# Altium PCB STM32F207VC.PcbDoc (part 3 of 16)
Units mm, origin at the board's own origin, x right, y up, seen from the top; angles counter-clockwise.
Board outline 99.19 x 99.95 mm, 2 copper layers (Top Layer, Bottom Layer); 127 components, 125 nets, 570 pads, 172 vias.
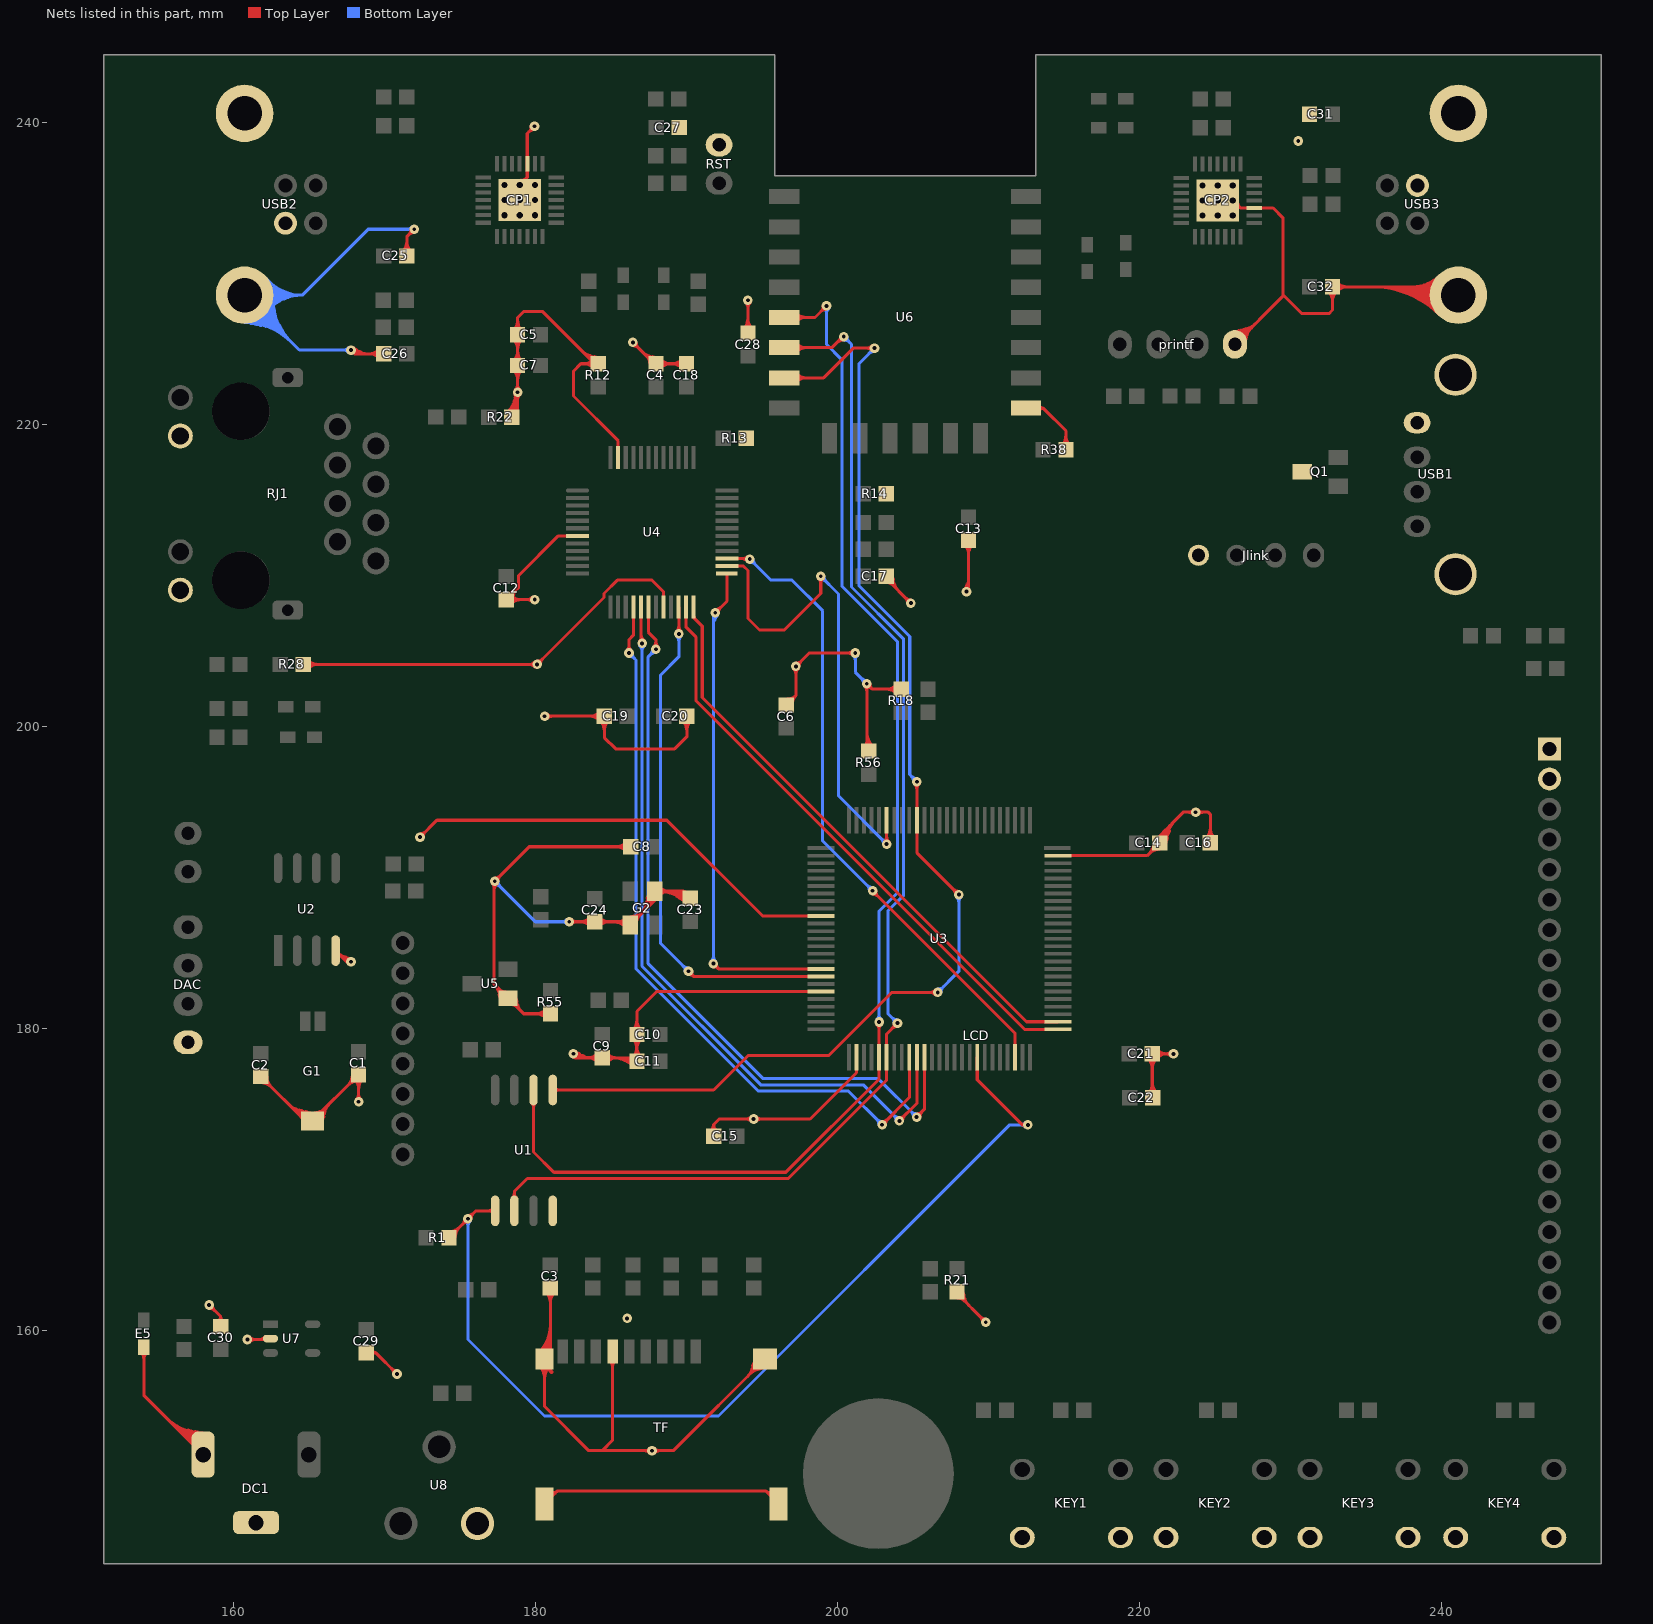
[diagram p3: the nets of this part, all layers, seen from the top]

## Via types
v1: diameter 0.635, hole 0.254, Top Layer to Bottom Layer, tented both sides, 152 vias
v2: diameter 0.635, hole 0.406, Top Layer to Bottom Layer, 18 vias
v3: diameter 1, hole 1, Top Layer to Bottom Layer, 2 vias

## Nets (pads, with @x,y where several pads share a name; then routed paths per layer and width w, separated by ;. In a path a pad name is that pad's centre, name@x,y a point inside that pad or via, vN(x,y) a via of type N, cw(c..) or ccw(c..) an arc to the next point about the centre after c; other vN are vias at no path point) (continued)
ETH_RXD1: U3.34 U4.16 | length 68.3
  Top Layer w0.203: v1(186.182,204.851) 186.182,205.74 186.465,206.023 U4.16@186.465,207.909 ; v1(202.946,173.609) 204.745,175.408 U3.34@204.745,178.078 ; v1@186.029,205.004 ccw(c185.661,205.372) 186.182,205.372 ; v1@186.029,205.004 ccw(c185.661,205.372) 186.182,205.372 ; v1@186.029,205.004 ccw(c185.661,205.372) 186.182,205.372 ; v1@186.029,205.004 ccw(c185.661,205.372) 186.182,205.372 ; 186.182,205.372 ccw(c186.703,205.372) v1@186.335,205.004 ; 186.182,205.372 ccw(c186.703,205.372) v1@186.335,205.004 ; 186.182,205.372 ccw(c186.703,205.372) v1@186.335,205.004 ; 186.182,205.372 ccw(c186.703,205.372) v1@186.335,205.004 ; v1@202.943,173.621 ccw(c202.866,174.001) 203.24,173.901 ; v1@202.943,173.621 ccw(c202.866,174.001) 203.24,173.901 ; v1@202.943,173.621 ccw(c202.866,174.001) 203.24,173.901 ; v1@202.943,173.621 ccw(c202.866,174.001) 203.24,173.901 ; v1@202.943,173.621 ccw(c202.866,174.001) 203.24,173.901 ; v1@202.943,173.621 ccw(c202.866,174.001) 203.24,173.901 ; v1@202.946,173.825 ccw(c202.946,174.346) 203.315,173.978 ; v1@202.946,173.825 ccw(c202.946,174.346) 203.315,173.978 ; v1@202.946,173.825 ccw(c202.946,174.346) 203.315,173.978 ; v1@202.946,173.825 ccw(c202.946,174.346) 203.315,173.978 ; v1@202.958,173.606 cw(c203.338,173.529) 203.238,173.903 ; v1@202.958,173.606 cw(c203.338,173.529) 203.238,173.903 ; v1@202.958,173.606 cw(c203.338,173.529) 203.238,173.903 ; v1@202.958,173.606 cw(c203.338,173.529) 203.238,173.903 ; v1@202.958,173.606 cw(c203.338,173.529) 203.238,173.903 ; v1@202.958,173.606 cw(c203.338,173.529) 203.238,173.903 ; v1@203.162,173.609 cw(c203.683,173.609) 203.315,173.978 ; v1@203.162,173.609 cw(c203.683,173.609) 203.315,173.978 ; v1@203.162,173.609 cw(c203.683,173.609) 203.315,173.978 ; v1@203.162,173.609 cw(c203.683,173.609) 203.315,173.978
  Bottom Layer w0.203: v1(186.182,204.851) 186.639,204.394 186.639,183.94 194.735,175.844 200.711,175.844 v1(202.946,173.609) ; v1@186.182,204.635 cw(c186.182,204.114) 186.551,204.482 ; v1@186.182,204.635 cw(c186.182,204.114) 186.551,204.482 ; v1@186.182,204.635 cw(c186.182,204.114) 186.551,204.482 ; v1@186.182,204.635 cw(c186.182,204.114) 186.551,204.482 ; v1@186.398,204.851 ccw(c186.919,204.851) 186.551,204.482 ; v1@186.398,204.851 ccw(c186.919,204.851) 186.551,204.482 ; v1@186.398,204.851 ccw(c186.919,204.851) 186.551,204.482 ; v1@186.398,204.851 ccw(c186.919,204.851) 186.551,204.482 ; 202.577,173.978 cw(c202.209,173.609) v1@202.73,173.609 ; 202.577,173.978 ccw(c202.946,174.346) v1@202.946,173.825 ; 202.577,173.978 cw(c202.209,173.609) v1@202.73,173.609 ; 202.577,173.978 ccw(c202.946,174.346) v1@202.946,173.825 ; 202.577,173.978 ccw(c202.946,174.346) v1@202.946,173.825 ; 202.577,173.978 cw(c202.209,173.609) v1@202.73,173.609 ; 202.577,173.978 ccw(c202.946,174.346) v1@202.946,173.825 ; 202.577,173.978 cw(c202.209,173.609) v1@202.73,173.609
ETH_RXD2: U3.35 U4.17 | length 68.1
  Top Layer w0.203: U4.17@186.965,207.909 186.965,205.566 v1(187.046,205.486) ; v1(204.089,173.863) 205.245,175.019 U3.35@205.245,178.078 ; v1@186.893,205.639 ccw(c186.718,205.813) 186.965,205.813 ; v1@186.893,205.639 ccw(c186.718,205.813) 186.965,205.813 ; v1@186.893,205.639 ccw(c186.718,205.813) 186.965,205.813 ; v1@186.893,205.639 ccw(c186.718,205.813) 186.965,205.813 ; 186.965,206.201 ccw(c187.761,206.201) v1@187.198,205.639 ; 186.965,206.201 ccw(c187.761,206.201) v1@187.198,205.639 ; 186.965,206.201 ccw(c187.761,206.201) v1@187.198,205.639 ; 186.965,206.201 ccw(c187.761,206.201) v1@187.198,205.639 ; v1@204.086,173.875 ccw(c204.009,174.255) 204.383,174.155 ; v1@204.086,173.875 ccw(c204.009,174.255) 204.383,174.155 ; v1@204.086,173.875 ccw(c204.009,174.255) 204.383,174.155 ; v1@204.086,173.875 ccw(c204.009,174.255) 204.383,174.155 ; v1@204.086,173.875 ccw(c204.009,174.255) 204.383,174.155 ; v1@204.086,173.875 ccw(c204.009,174.255) 204.383,174.155 ; v1@204.089,174.079 ccw(c204.089,174.6) 204.458,174.232 ; v1@204.089,174.079 ccw(c204.089,174.6) 204.458,174.232 ; v1@204.089,174.079 ccw(c204.089,174.6) 204.458,174.232 ; v1@204.089,174.079 ccw(c204.089,174.6) 204.458,174.232 ; v1@204.101,173.86 cw(c204.481,173.783) 204.381,174.157 ; v1@204.101,173.86 cw(c204.481,173.783) 204.381,174.157 ; v1@204.101,173.86 cw(c204.481,173.783) 204.381,174.157 ; v1@204.101,173.86 cw(c204.481,173.783) 204.381,174.157 ; v1@204.101,173.86 cw(c204.481,173.783) 204.381,174.157 ; v1@204.101,173.86 cw(c204.481,173.783) 204.381,174.157 ; v1@204.305,173.863 cw(c204.826,173.863) 204.458,174.232 ; v1@204.305,173.863 cw(c204.826,173.863) 204.458,174.232 ; v1@204.305,173.863 cw(c204.826,173.863) 204.458,174.232 ; v1@204.305,173.863 cw(c204.826,173.863) 204.458,174.232
  Bottom Layer w0.203: v1(187.046,205.486) 187.046,184.109 194.904,176.251 201.701,176.251 v1(204.089,173.863) ; v1@186.893,205.333 cw(c186.524,204.965) 187.046,204.965 ; v1@186.893,205.333 cw(c186.524,204.965) 187.046,204.965 ; v1@186.893,205.333 cw(c186.524,204.965) 187.046,204.965 ; v1@186.893,205.333 cw(c186.524,204.965) 187.046,204.965 ; 187.046,204.965 cw(c187.567,204.965) v1@187.198,205.333 ; 187.046,204.965 cw(c187.567,204.965) v1@187.198,205.333 ; 187.046,204.965 cw(c187.567,204.965) v1@187.198,205.333 ; 187.046,204.965 cw(c187.567,204.965) v1@187.198,205.333 ; 203.72,174.232 cw(c203.352,173.863) v1@203.873,173.863 ; 203.72,174.232 ccw(c204.089,174.6) v1@204.089,174.079 ; 203.72,174.232 cw(c203.352,173.863) v1@203.873,173.863 ; 203.72,174.232 ccw(c204.089,174.6) v1@204.089,174.079 ; 203.72,174.232 ccw(c204.089,174.6) v1@204.089,174.079 ; 203.72,174.232 cw(c203.352,173.863) v1@203.873,173.863 ; 203.72,174.232 ccw(c204.089,174.6) v1@204.089,174.079 ; 203.72,174.232 cw(c203.352,173.863) v1@203.873,173.863
ETH_RXD3: U3.36 U4.18 | length 68.5
  Top Layer w0.203: U4.18@187.465,207.909 187.465,206.235 187.96,205.74 v1(187.96,205.105) ; v1(205.232,174.117) 205.745,174.63 U3.36@205.745,178.078 ; v1@187.807,205.258 ccw(c187.439,205.626) 187.96,205.626 ; v1@187.807,205.258 ccw(c187.439,205.626) 187.96,205.626 ; v1@187.807,205.258 ccw(c187.439,205.626) 187.96,205.626 ; v1@187.807,205.258 ccw(c187.439,205.626) 187.96,205.626 ; 187.96,205.626 ccw(c188.481,205.626) v1@188.113,205.258 ; 187.96,205.626 ccw(c188.481,205.626) v1@188.113,205.258 ; 187.96,205.626 ccw(c188.481,205.626) v1@188.113,205.258 ; 187.96,205.626 ccw(c188.481,205.626) v1@188.113,205.258 ; v1@205.229,174.129 ccw(c205.152,174.509) 205.526,174.409 ; v1@205.229,174.129 ccw(c205.152,174.509) 205.526,174.409 ; v1@205.229,174.129 ccw(c205.152,174.509) 205.526,174.409 ; v1@205.229,174.129 ccw(c205.152,174.509) 205.526,174.409 ; v1@205.229,174.129 ccw(c205.152,174.509) 205.526,174.409 ; v1@205.229,174.129 ccw(c205.152,174.509) 205.526,174.409 ; v1@205.232,174.333 ccw(c205.232,174.854) 205.601,174.486 ; v1@205.232,174.333 ccw(c205.232,174.854) 205.601,174.486 ; v1@205.232,174.333 ccw(c205.232,174.854) 205.601,174.486 ; v1@205.232,174.333 ccw(c205.232,174.854) 205.601,174.486 ; v1@205.244,174.114 cw(c205.624,174.037) 205.524,174.411 ; v1@205.244,174.114 cw(c205.624,174.037) 205.524,174.411 ; v1@205.244,174.114 cw(c205.624,174.037) 205.524,174.411 ; v1@205.244,174.114 cw(c205.624,174.037) 205.524,174.411 ; v1@205.244,174.114 cw(c205.624,174.037) 205.524,174.411 ; v1@205.244,174.114 cw(c205.624,174.037) 205.524,174.411 ; v1@205.448,174.117 cw(c205.969,174.117) 205.601,174.486 ; v1@205.448,174.117 cw(c205.969,174.117) 205.601,174.486 ; v1@205.448,174.117 cw(c205.969,174.117) 205.601,174.486 ; v1@205.448,174.117 cw(c205.969,174.117) 205.601,174.486
  Bottom Layer w0.203: v1(187.96,205.105) 187.452,204.597 187.452,184.277 195.072,176.657 202.692,176.657 v1(205.232,174.117) ; 187.591,204.736 cw(c187.96,204.368) v1@187.96,204.889 ; 187.591,204.736 ccw(c187.223,205.105) v1@187.744,205.105 ; 187.591,204.736 cw(c187.96,204.368) v1@187.96,204.889 ; 187.591,204.736 ccw(c187.223,205.105) v1@187.744,205.105 ; 187.591,204.736 ccw(c187.223,205.105) v1@187.744,205.105 ; 187.591,204.736 cw(c187.96,204.368) v1@187.96,204.889 ; 187.591,204.736 ccw(c187.223,205.105) v1@187.744,205.105 ; 187.591,204.736 cw(c187.96,204.368) v1@187.96,204.889 ; 204.863,174.486 cw(c204.495,174.117) v1@205.016,174.117 ; 204.863,174.486 ccw(c205.232,174.854) v1@205.232,174.333 ; 204.863,174.486 cw(c204.495,174.117) v1@205.016,174.117 ; 204.863,174.486 ccw(c205.232,174.854) v1@205.232,174.333 ; 204.863,174.486 ccw(c205.232,174.854) v1@205.232,174.333 ; 204.863,174.486 cw(c204.495,174.117) v1@205.016,174.117 ; 204.863,174.486 ccw(c205.232,174.854) v1@205.232,174.333 ; 204.863,174.486 cw(c204.495,174.117) v1@205.016,174.117
ETH_TX_CLK: U3.18 U4.22 | length 47.1
  Top Layer w0.203: U4.22@189.465,207.909 189.484,207.89 v1(189.484,206.121) ; v1(190.119,183.769) 190.46,183.428 ; U3.18@198.895,183.428 190.46,183.428 ; v1@189.331,206.274 ccw(c188.963,206.642) 189.484,206.642 ; v1@189.331,206.274 ccw(c188.963,206.642) 189.484,206.642 ; v1@189.331,206.274 ccw(c188.963,206.642) 189.484,206.642 ; v1@189.331,206.274 ccw(c188.963,206.642) 189.484,206.642 ; 189.484,206.642 ccw(c190.005,206.642) v1@189.637,206.274 ; 189.484,206.642 ccw(c190.005,206.642) v1@189.637,206.274 ; 189.484,206.642 ccw(c190.005,206.642) v1@189.637,206.274 ; 189.484,206.642 ccw(c190.005,206.642) v1@189.637,206.274 ; v1@190.131,183.553 cw(c190.155,183.123) 190.46,183.428 ; v1@190.131,183.553 cw(c190.155,183.123) 190.46,183.428 ; v1@190.131,183.553 cw(c190.155,183.123) 190.46,183.428 ; v1@190.131,183.553 cw(c190.155,183.123) 190.46,183.428 ; v1@190.335,183.757 ccw(c190.765,183.733) 190.46,183.428 ; v1@190.335,183.757 ccw(c190.765,183.733) 190.46,183.428 ; v1@190.335,183.757 ccw(c190.765,183.733) 190.46,183.428 ; v1@190.335,183.757 ccw(c190.765,183.733) 190.46,183.428
  Bottom Layer w0.203: v1(189.484,206.121) 189.484,204.597 188.265,203.378 188.265,185.623 v1(190.119,183.769) ; v1@189.331,205.968 cw(c188.963,205.6) 189.484,205.6 ; v1@189.331,205.968 cw(c188.963,205.6) 189.484,205.6 ; v1@189.331,205.968 cw(c188.963,205.6) 189.484,205.6 ; v1@189.331,205.968 cw(c188.963,205.6) 189.484,205.6 ; 189.484,205.6 cw(c190.005,205.6) v1@189.637,205.968 ; 189.484,205.6 cw(c190.005,205.6) v1@189.637,205.968 ; 189.484,205.6 cw(c190.005,205.6) v1@189.637,205.968 ; 189.484,205.6 cw(c190.005,205.6) v1@189.637,205.968 ; 189.75,184.138 cw(c189.382,183.769) v1@189.903,183.769 ; 189.75,184.138 ccw(c190.119,184.506) v1@190.119,183.985 ; 189.75,184.138 cw(c189.382,183.769) v1@189.903,183.769 ; 189.75,184.138 ccw(c190.119,184.506) v1@190.119,183.985 ; 189.75,184.138 ccw(c190.119,184.506) v1@190.119,183.985 ; 189.75,184.138 cw(c189.382,183.769) v1@189.903,183.769 ; 189.75,184.138 ccw(c190.119,184.506) v1@190.119,183.985 ; 189.75,184.138 cw(c189.382,183.769) v1@189.903,183.769
ETH_TX_EN: U3.48 U4.27 | length 60.8
  Top Layer w0.203: U4.27@192.668,211.112 v1@194.145,211.112 ; v1(202.311,189.103) 211.745,179.669 U3.48@211.745,178.078 ; 193.569,211.112 cw(c193.569,210.46) v1@194.03,210.921 ; 193.569,211.112 cw(c193.569,210.46) v1@194.03,210.921 ; 193.569,211.112 cw(c193.569,210.46) v1@194.03,210.921 ; 193.569,211.112 cw(c193.569,210.46) v1@194.03,210.921 ; 193.754,211.112 ccw(c193.754,211.503) v1@194.03,211.227 ; 193.754,211.112 ccw(c193.754,211.503) v1@194.03,211.227 ; 193.754,211.112 ccw(c193.754,211.503) v1@194.03,211.227 ; 193.754,211.112 ccw(c193.754,211.503) v1@194.03,211.227 ; v1@202.308,189.091 cw(c202.231,188.711) 202.605,188.811 ; v1@202.308,189.091 cw(c202.231,188.711) 202.605,188.811 ; v1@202.308,189.091 cw(c202.231,188.711) 202.605,188.811 ; v1@202.308,189.091 cw(c202.231,188.711) 202.605,188.811 ; v1@202.308,189.091 cw(c202.231,188.711) 202.605,188.811 ; v1@202.308,189.091 cw(c202.231,188.711) 202.605,188.811 ; v1@202.311,188.887 cw(c202.311,188.366) 202.68,188.734 ; v1@202.311,188.887 cw(c202.311,188.366) 202.68,188.734 ; v1@202.311,188.887 cw(c202.311,188.366) 202.68,188.734 ; v1@202.311,188.887 cw(c202.311,188.366) 202.68,188.734 ; v1@202.323,189.106 ccw(c202.703,189.183) 202.603,188.809 ; v1@202.323,189.106 ccw(c202.703,189.183) 202.603,188.809 ; v1@202.323,189.106 ccw(c202.703,189.183) 202.603,188.809 ; v1@202.323,189.106 ccw(c202.703,189.183) 202.603,188.809 ; v1@202.323,189.106 ccw(c202.703,189.183) 202.603,188.809 ; v1@202.323,189.106 ccw(c202.703,189.183) 202.603,188.809 ; v1@202.527,189.103 ccw(c203.048,189.103) 202.68,188.734 ; v1@202.527,189.103 ccw(c203.048,189.103) 202.68,188.734 ; v1@202.527,189.103 ccw(c203.048,189.103) 202.68,188.734 ; v1@202.527,189.103 ccw(c203.048,189.103) 202.68,188.734
  Bottom Layer w0.203: v1(194.183,211.074) 195.58,209.677 196.977,209.677 199.009,207.645 199.009,192.405 v1(202.311,189.103) ; v1@194.183,210.858 cw(c194.183,210.337) 194.552,210.705 ; v1@194.183,210.858 cw(c194.183,210.337) 194.552,210.705 ; v1@194.183,210.858 cw(c194.183,210.337) 194.552,210.705 ; v1@194.183,210.858 cw(c194.183,210.337) 194.552,210.705 ; v1@194.399,211.074 ccw(c194.92,211.074) 194.552,210.705 ; v1@194.399,211.074 ccw(c194.92,211.074) 194.552,210.705 ; v1@194.399,211.074 ccw(c194.92,211.074) 194.552,210.705 ; v1@194.399,211.074 ccw(c194.92,211.074) 194.552,210.705 ; 201.942,189.472 cw(c201.574,189.103) v1@202.095,189.103 ; 201.942,189.472 ccw(c202.311,189.84) v1@202.311,189.319 ; 201.942,189.472 cw(c201.574,189.103) v1@202.095,189.103 ; 201.942,189.472 ccw(c202.311,189.84) v1@202.311,189.319 ; 201.942,189.472 ccw(c202.311,189.84) v1@202.311,189.319 ; 201.942,189.472 cw(c201.574,189.103) v1@202.095,189.103 ; 201.942,189.472 ccw(c202.311,189.84) v1@202.311,189.319 ; 201.942,189.472 cw(c201.574,189.103) v1@202.095,189.103
ETH_TXD0: U3.51 U4.23 | length 39.5
  Top Layer w0.203: U4.23@189.965,207.909 189.965,206.554 190.627,205.892 190.627,201.674 212.373,179.928 U3.51@214.595,179.928
ETH_TXD1: U3.52 U4.24 | length 40.5
  Top Layer w0.203: U4.24@190.465,207.909 190.465,207.197 191.033,206.629 191.033,201.905 212.51,180.428 U3.52@214.595,180.428 ; U4.24@190.449,207.253 cw(c190.353,207.088) 190.537,207.137 ; U4.24@190.449,207.253 cw(c190.353,207.088) 190.537,207.137 ; U4.24@190.449,207.253 cw(c190.353,207.088) 190.537,207.137 ; U4.24@190.449,207.253 cw(c190.353,207.088) 190.537,207.137 ; U4.24@190.449,207.253 cw(c190.353,207.088) 190.537,207.137 ; U4.24@190.449,207.253 cw(c190.353,207.088) 190.537,207.137 ; U4.24@190.499,207.282 ccw(c190.785,207.282) 190.583,207.08 ; U4.24@190.499,207.282 ccw(c190.785,207.282) 190.583,207.08 ; U4.24@190.499,207.282 ccw(c190.785,207.282) 190.583,207.08 ; U4.24@190.499,207.282 ccw(c190.785,207.282) 190.583,207.08
ETH_TXD2: U3.17 U4.25 | length 60
  Top Layer w0.203: v1(191.77,184.277) 192.119,183.928 ; v1(191.897,207.518) 192.668,208.289 U4.25@192.668,210.112 ; U3.17@198.895,183.928 192.119,183.928 ; v1@191.766,184.265 cw(c191.643,183.859) 192.057,183.952 ; v1@191.766,184.265 cw(c191.643,183.859) 192.057,183.952 ; v1@191.766,184.265 cw(c191.643,183.859) 192.057,183.952 ; v1@191.766,184.265 cw(c191.643,183.859) 192.057,183.952 ; v1@191.766,184.265 cw(c191.643,183.859) 192.057,183.952 ; v1@191.766,184.265 cw(c191.643,183.859) 192.057,183.952 ; v1@191.778,184.061 cw(c191.796,183.605) 192.119,183.928 ; v1@191.778,184.061 cw(c191.796,183.605) 192.119,183.928 ; v1@191.778,184.061 cw(c191.796,183.605) 192.119,183.928 ; v1@191.778,184.061 cw(c191.796,183.605) 192.119,183.928 ; v1@191.782,184.281 ccw(c192.188,184.404) 192.095,183.99 ; v1@191.782,184.281 ccw(c192.188,184.404) 192.095,183.99 ; v1@191.782,184.281 ccw(c192.188,184.404) 192.095,183.99 ; v1@191.782,184.281 ccw(c192.188,184.404) 192.095,183.99 ; v1@191.782,184.281 ccw(c192.188,184.404) 192.095,183.99 ; v1@191.782,184.281 ccw(c192.188,184.404) 192.095,183.99 ; v1@191.894,207.53 ccw(c191.817,207.91) 192.191,207.81 ; v1@191.894,207.53 ccw(c191.817,207.91) 192.191,207.81 ; v1@191.894,207.53 ccw(c191.817,207.91) 192.191,207.81 ; v1@191.894,207.53 ccw(c191.817,207.91) 192.191,207.81 ; v1@191.894,207.53 ccw(c191.817,207.91) 192.191,207.81 ; v1@191.894,207.53 ccw(c191.817,207.91) 192.191,207.81 ; v1@191.897,207.734 ccw(c191.897,208.255) 192.266,207.887 ; v1@191.897,207.734 ccw(c191.897,208.255) 192.266,207.887 ; v1@191.897,207.734 ccw(c191.897,208.255) 192.266,207.887 ; v1@191.897,207.734 ccw(c191.897,208.255) 192.266,207.887 ; v1@191.909,207.515 cw(c192.289,207.438) 192.189,207.812 ; v1@191.909,207.515 cw(c192.289,207.438) 192.189,207.812 ; v1@191.909,207.515 cw(c192.289,207.438) 192.189,207.812 ; v1@191.909,207.515 cw(c192.289,207.438) 192.189,207.812 ; v1@191.909,207.515 cw(c192.289,207.438) 192.189,207.812 ; v1@191.909,207.515 cw(c192.289,207.438) 192.189,207.812 ; v1@191.986,184.269 ccw(c192.442,184.251) 192.119,183.928 ; v1@191.986,184.269 ccw(c192.442,184.251) 192.119,183.928 ; v1@191.986,184.269 ccw(c192.442,184.251) 192.119,183.928 ; v1@191.986,184.269 ccw(c192.442,184.251) 192.119,183.928 ; v1@192.113,207.518 cw(c192.634,207.518) 192.266,207.887 ; v1@192.113,207.518 cw(c192.634,207.518) 192.266,207.887 ; v1@192.113,207.518 cw(c192.634,207.518) 192.266,207.887 ; v1@192.113,207.518 cw(c192.634,207.518) 192.266,207.887
  Bottom Layer w0.203: v1(191.77,184.277) 191.77,207.391 v1(191.897,207.518) ; v1@191.617,184.43 ccw(c191.249,184.798) 191.77,184.798 ; v1@191.617,184.43 ccw(c191.249,184.798) 191.77,184.798 ; v1@191.617,184.43 ccw(c191.249,184.798) 191.77,184.798 ; v1@191.617,184.43 ccw(c191.249,184.798) 191.77,184.798 ; 191.77,184.798 ccw(c192.291,184.798) v1@191.923,184.43 ; 191.77,184.798 ccw(c192.291,184.798) v1@191.923,184.43 ; 191.77,184.798 ccw(c192.291,184.798) v1@191.923,184.43 ; 191.77,184.798 ccw(c192.291,184.798) v1@191.923,184.43 ; 191.77,206.69 cw(c192.725,206.69) v1@192.05,207.365 ; 191.77,206.69 cw(c192.725,206.69) v1@192.05,207.365 ; 191.77,206.69 cw(c192.725,206.69) v1@192.05,207.365 ; 191.77,206.69 cw(c192.725,206.69) v1@192.05,207.365 ; 191.77,207.181 cw(c192.234,207.181) v1@191.906,207.509 ; 191.77,207.181 cw(c192.234,207.181) v1@191.906,207.509 ; 191.77,207.181 cw(c192.234,207.181) v1@191.906,207.509 ; 191.77,207.181 cw(c192.234,207.181) v1@191.906,207.509 ; v1@191.787,207.332 cw(c191.678,207.149) 191.863,207.042 ; v1@191.787,207.332 cw(c191.678,207.149) 191.863,207.042 ; v1@191.787,207.332 cw(c191.678,207.149) 191.863,207.042 ; v1@191.787,207.332 cw(c191.678,207.149) 191.863,207.042 ; v1@191.787,207.332 cw(c191.678,207.149) 191.863,207.042 ; v1@191.787,207.332 cw(c191.678,207.149) 191.863,207.042
ETH_TXD3: U3.95 U4.26 | length 46.2
  Top Layer w0.203: U4.26@192.668,210.612 193.756,210.612 194.056,210.312 194.056,207.137 194.818,206.375 196.469,206.375 198.882,208.788 v1(198.882,209.931) ; v1(203.245,192.196) U3.95@203.245,193.778 ; v1@198.729,209.778 cw(c198.361,209.41) 198.882,209.41 ; v1@198.729,209.778 cw(c198.361,209.41) 198.882,209.41 ; v1@198.729,209.778 cw(c198.361,209.41) 198.882,209.41 ; v1@198.729,209.778 cw(c198.361,209.41) 198.882,209.41 ; 198.882,209.41 cw(c199.403,209.41) v1@199.035,209.778 ; 198.882,209.41 cw(c199.403,209.41) v1@199.035,209.778 ; 198.882,209.41 cw(c199.403,209.41) v1@199.035,209.778 ; 198.882,209.41 cw(c199.403,209.41) v1@199.035,209.778 ; v1@203.092,192.348 ccw(c202.723,192.717) 203.245,192.717 ; v1@203.092,192.348 ccw(c202.723,192.717) 203.245,192.717 ; v1@203.092,192.348 ccw(c202.723,192.717) 203.245,192.717 ; v1@203.092,192.348 ccw(c202.723,192.717) 203.245,192.717 ; 203.245,192.717 ccw(c203.766,192.717) v1@203.397,192.348 ; 203.245,192.717 ccw(c203.766,192.717) v1@203.397,192.348 ; 203.245,192.717 ccw(c203.766,192.717) v1@203.397,192.348 ; 203.245,192.717 ccw(c203.766,192.717) v1@203.397,192.348
  Bottom Layer w0.203: v1(198.882,209.931) 200.05,208.763 200.05,195.39 v1(203.245,192.196) ; v1@198.882,209.715 cw(c198.882,209.194) 199.251,209.562 ; v1@198.882,209.715 cw(c198.882,209.194) 199.251,209.562 ; v1@198.882,209.715 cw(c198.882,209.194) 199.251,209.562 ; v1@198.882,209.715 cw(c198.882,209.194) 199.251,209.562 ; v1@199.098,209.931 ccw(c199.619,209.931) 199.251,209.562 ; v1@199.098,209.931 ccw(c199.619,209.931) 199.251,209.562 ; v1@199.098,209.931 ccw(c199.619,209.931) 199.251,209.562 ; v1@199.098,209.931 ccw(c199.619,209.931) 199.251,209.562 ; 202.876,192.564 cw(c202.508,192.196) v1@203.029,192.196 ; 202.876,192.564 ccw(c203.245,192.933) v1@203.245,192.412 ; 202.876,192.564 cw(c202.508,192.196) v1@203.029,192.196 ; 202.876,192.564 ccw(c203.245,192.933) v1@203.245,192.412 ; 202.876,192.564 ccw(c203.245,192.933) v1@203.245,192.412 ; 202.876,192.564 cw(c202.508,192.196) v1@203.029,192.196 ; 202.876,192.564 ccw(c203.245,192.933) v1@203.245,192.412 ; 202.876,192.564 cw(c202.508,192.196) v1@203.029,192.196
FLASH_CS: R1.1 U1.1 U3.43 | length 108.5
  Top Layer w0.203: v1@175.514,167.375 R1.1@174.261,166.122 ; v1@175.52,167.38 176.048,167.908 U1.1@177.316,167.908 ; U3.43@209.245,178.078 209.245,176.581 212.227,173.599 ; v1(212.598,173.599) 212.227,173.599 ; R1.1@174.261,166.122 cw(c174.957,165.979) 174.773,166.666 ; R1.1@174.261,166.122 ccw(c174.119,166.818) 174.805,166.634 ; R1.1@174.261,166.122 ccw(c174.119,166.818) 174.805,166.634 ; R1.1@174.261,166.122 cw(c174.957,165.979) 174.773,166.666 ; R1.1@174.261,166.122 ccw(c174.119,166.818) 174.805,166.634 ; R1.1@174.261,166.122 cw(c174.957,165.979) 174.773,166.666 ; R1.1@174.261,166.122 cw(c174.957,165.979) 174.773,166.666 ; R1.1@174.261,166.122 ccw(c174.119,166.818) 174.805,166.634 ; R1.1@174.261,166.122 cw(c174.957,165.979) 174.773,166.666 ; R1.1@174.261,166.122 ccw(c174.119,166.818) 174.805,166.634 ; R1.1@174.261,166.122 ccw(c174.119,166.818) 174.805,166.634 ; R1.1@174.261,166.122 cw(c174.957,165.979) 174.773,166.666 ; R1.1@174.261,166.528 ccw(c174.261,167.509) 174.955,166.816 ; R1.1@174.261,166.528 ccw(c174.261,167.509) 174.955,166.816 ; R1.1@174.261,166.528 ccw(c174.261,167.509) 174.955,166.816 ; R1.1@174.261,166.528 ccw(c174.261,167.509) 174.955,166.816 ; R1.1@174.668,166.122 cw(c175.649,166.122) 174.955,166.816 ; R1.1@174.668,166.122 cw(c175.649,166.122) 174.955,166.816 ; R1.1@174.668,166.122 cw(c175.649,166.122) 174.955,166.816 ; R1.1@174.668,166.122 cw(c175.649,166.122) 174.955,166.816 ; 175.137,166.998 ccw(c174.749,167.386) v1@175.298,167.386 ; 175.137,166.998 ccw(c174.749,167.386) v1@175.298,167.386 ; 175.137,166.998 ccw(c174.749,167.386) v1@175.298,167.386 ; 175.137,166.998 ccw(c174.749,167.386) v1@175.298,167.386 ; 175.165,167.026 cw(c175.514,166.676) v1@175.514,167.17 ; 175.165,167.026 cw(c175.514,166.676) v1@175.514,167.17 ; 175.165,167.026 cw(c175.514,166.676) v1@175.514,167.17 ; 175.165,167.026 cw(c175.514,166.676) v1@175.514,167.17 ; 175.218,167.087 cw(c175.604,166.983) v1@175.517,167.374 ; 175.218,167.087 cw(c175.604,166.983) v1@175.517,167.374 ; 175.218,167.087 cw(c175.604,166.983) v1@175.517,167.374 ; 175.218,167.087 cw(c175.604,166.983) v1@175.517,167.374 ; 175.218,167.087 cw(c175.604,166.983) v1@175.517,167.374 ; 175.218,167.087 cw(c175.604,166.983) v1@175.517,167.374 ; 175.229,167.094 ccw(c175.132,167.457) v1@175.502,167.388 ; 175.229,167.094 ccw(c175.132,167.457) v1@175.502,167.388 ; 175.229,167.094 ccw(c175.132,167.457) v1@175.502,167.388 ; 175.229,167.094 ccw(c175.132,167.457) v1@175.502,167.388 ; 175.229,167.094 ccw(c175.132,167.457) v1@175.502,167.388 ; 175.229,167.094 ccw(c175.132,167.457) v1@175.502,167.388 ; v1@175.512,167.398 ccw(c175.443,167.768) 175.806,167.671 ; v1@175.512,167.398 ccw(c175.443,167.768) 175.806,167.671 ; v1@175.512,167.398 ccw(c175.443,167.768) 175.806,167.671 ; v1@175.512,167.398 ccw(c175.443,167.768) 175.806,167.671 ; v1@175.512,167.398 ccw(c175.443,167.768) 175.806,167.671 ; v1@175.512,167.398 ccw(c175.443,167.768) 175.806,167.671 ; v1@175.514,167.602 ccw(c175.514,168.151) 175.902,167.763 ; v1@175.514,167.602 ccw(c175.514,168.151) 175.902,167.763 ; v1@175.514,167.602 ccw(c175.514,168.151) 175.902,167.763 ; v1@175.514,167.602 ccw(c175.514,168.151) 175.902,167.763 ; v1@175.526,167.383 cw(c175.917,167.296) 175.813,167.682 ; v1@175.526,167.383 cw(c175.917,167.296) 175.813,167.682 ; v1@175.526,167.383 cw(c175.917,167.296) 175.813,167.682 ; v1@175.526,167.383 cw(c175.917,167.296) 175.813,167.682 ; v1@175.526,167.383 cw(c175.917,167.296) 175.813,167.682 ; v1@175.526,167.383 cw(c175.917,167.296) 175.813,167.682 ; v1@175.73,167.386 cw(c176.224,167.386) 175.874,167.735 ; v1@175.73,167.386 cw(c176.224,167.386) 175.874,167.735 ; v1@175.73,167.386 cw(c176.224,167.386) 175.874,167.735 ; v1@175.73,167.386 cw(c176.224,167.386) 175.874,167.735 ; 176.887,167.908 cw(c176.887,167.479) U1.1@177.19,167.783 ; 176.887,167.908 ccw(c176.887,168.338) U1.1@177.19,168.034 ; 176.887,167.908 cw(c176.887,167.479) U1.1@177.19,167.783 ; 176.887,167.908 ccw(c176.887,168.338) U1.1@177.19,168.034 ; 176.887,167.908 ccw(c176.887,168.338) U1.1@177.19,168.034 ; 176.887,167.908 cw(c176.887,167.479) U1.1@177.19,167.783 ; 176.887,167.908 ccw(c176.887,168.338) U1.1@177.19,168.034 ; 176.887,167.908 cw(c176.887,167.479) U1.1@177.19,167.783 ; 212.227,173.599 cw(c212.227,173.388) v1@212.41,173.492 ; 212.227,173.599 ccw(c212.227,173.81) v1@212.41,173.706 ; 212.227,173.599 cw(c212.227,173.388) v1@212.41,173.492 ; 212.227,173.599 ccw(c212.227,173.81) v1@212.41,173.706 ; 212.227,173.599 ccw(c212.227,173.81) v1@212.41,173.706 ; 212.227,173.599 cw(c212.227,173.388) v1@212.41,173.492 ; 212.227,173.599 ccw(c212.227,173.81) v1@212.41,173.706 ; 212.227,173.599 cw(c212.227,173.388) v1@212.41,173.492
  Bottom Layer w0.203: v1(175.514,167.386) 175.514,159.385 180.581,154.318 192.11,154.318 211.391,173.599 v1(212.598,173.599) ; v1@175.361,167.233 cw(c174.993,166.865) 175.514,166.865 ; v1@175.361,167.233 cw(c174.993,166.865) 175.514,166.865 ; v1@175.361,167.233 cw(c174.993,166.865) 175.514,166.865 ; v1@175.361,167.233 cw(c174.993,166.865) 175.514,166.865 ; 175.514,166.865 cw(c176.035,166.865) v1@175.667,167.233 ; 175.514,166.865 cw(c176.035,166.865) v1@175.667,167.233 ; 175.514,166.865 cw(c176.035,166.865) v1@175.667,167.233 ; 175.514,166.865 cw(c176.035,166.865) v1@175.667,167.233 ; 212.077,173.599 cw(c212.077,173.078) v1@212.445,173.446 ; 212.077,173.599 ccw(c212.077,174.12) v1@212.445,173.752 ; 212.077,173.599 cw(c212.077,173.078) v1@212.445,173.446 ; 212.077,173.599 ccw(c212.077,174.12) v1@212.445,173.752 ; 212.077,173.599 ccw(c212.077,174.12) v1@212.445,173.752 ; 212.077,173.599 cw(c212.077,173.078) v1@212.445,173.446 ; 212.077,173.599 ccw(c212.077,174.12) v1@212.445,173.752 ; 212.077,173.599 cw(c212.077,173.078) v1@212.445,173.446
FLASH_SPI_CLK: U1.6 U3.30 U6.5 | length 113.9
  Top Layer w0.203: U1.6@179.856,175.909 179.856,171.807 181.204,170.459 196.564,170.459 202.745,176.641 U3.30@202.745,178.078 v1(202.745,180.414) ; U6.5@196.468,227.076 198.501,227.076 v1(199.263,227.838) ; U1.6@179.73,175.047 cw(c179.427,174.743) 179.856,174.743 ; U1.6@179.73,175.047 cw(c179.427,174.743) 179.856,174.743 ; U1.6@179.73,175.047 cw(c179.427,174.743) 179.856,174.743 ; U1.6@179.73,175.047 cw(c179.427,174.743) 179.856,174.743 ; 179.856,174.743 cw(c180.285,174.743) U1.6@179.982,175.047 ; 179.856,174.743 cw(c180.285,174.743) U1.6@179.982,175.047 ; 179.856,174.743 cw(c180.285,174.743) U1.6@179.982,175.047 ; 179.856,174.743 cw(c180.285,174.743) U1.6@179.982,175.047 ; U6.5@197.25,226.794 cw(c197.93,226.114) 197.93,227.076 ; U6.5@197.25,226.794 cw(c197.93,226.114) 197.93,227.076 ; U6.5@197.25,226.794 cw(c197.93,226.114) 197.93,227.076 ; U6.5@197.25,226.794 cw(c197.93,226.114) 197.93,227.076 ; U6.5@197.25,227.357 ccw(c197.93,228.038) 197.93,227.076 ; U6.5@197.25,227.357 ccw(c197.93,228.038) 197.93,227.076 ; U6.5@197.25,227.357 ccw(c197.93,228.038) 197.93,227.076 ; U6.5@197.25,227.357 ccw(c197.93,228.038) 197.93,227.076 ; 198.894,227.469 cw(c199.263,227.101) v1@199.263,227.622 ; 198.894,227.469 ccw(c198.526,227.838) v1@199.047,227.838 ; 198.894,227.469 cw(c199.263,227.101) v1@199.263,227.622 ; 198.894,227.469 ccw(c198.526,227.838) v1@199.047,227.838 ; 198.894,227.469 ccw(c198.526,227.838) v1@199.047,227.838 ; 198.894,227.469 cw(c199.263,227.101) v1@199.263,227.622 ; 198.894,227.469 ccw(c198.526,227.838) v1@199.047,227.838 ; 198.894,227.469 cw(c199.263,227.101) v1@199.263,227.622 ; 198.969,227.546 cw(c199.343,227.446) v1@199.266,227.826 ; 198.969,227.546 cw(c199.343,227.446) v1@199.266,227.826 ; 198.969,227.546 cw(c199.343,227.446) v1@199.266,227.826 ; 198.969,227.546 cw(c199.343,227.446) v1@199.266,227.826 ; 198.969,227.546 cw(c199.343,227.446) v1@199.266,227.826 ; 198.969,227.546 cw(c199.343,227.446) v1@199.266,227.826 ; 198.971,227.544 ccw(c198.871,227.918) v1@199.251,227.841 ; 198.971,227.544 ccw(c198.871,227.918) v1@199.251,227.841 ; 198.971,227.544 ccw(c198.871,227.918) v1@199.251,227.841 ; 198.971,227.544 ccw(c198.871,227.918) v1@199.251,227.841 ; 198.971,227.544 ccw(c198.871,227.918) v1@199.251,227.841 ; 198.971,227.544 ccw(c198.871,227.918) v1@199.251,227.841 ; v1@202.592,180.262 cw(c202.223,179.893) 202.745,179.893 ; v1@202.592,180.262 cw(c202.223,179.893) 202.745,179.893 ; v1@202.592,180.262 cw(c202.223,179.893) 202.745,179.893 ; v1@202.592,180.262 cw(c202.223,179.893) 202.745,179.893 ; 202.745,179.893 cw(c203.266,179.893) v1@202.897,180.262 ; 202.745,179.893 cw(c203.266,179.893) v1@202.897,180.262 ; 202.745,179.893 cw(c203.266,179.893) v1@202.897,180.262 ; 202.745,179.893 cw(c203.266,179.893) v1@202.897,180.262
  Bottom Layer w0.203: v1(199.263,227.838) 199.263,225.298 200.279,224.282 200.279,209.287 203.962,205.604 203.962,188.976 202.745,187.759 v1(202.745,180.414) ; v1@199.11,227.685 cw(c198.742,227.317) 199.263,227.317 ; v1@199.11,227.685 cw(c198.742,227.317) 199.263,227.317 ; v1@199.11,227.685 cw(c198.742,227.317) 199.263,227.317 ; v1@199.11,227.685 cw(c198.742,227.317) 199.263,227.317 ; 199.263,227.317 cw(c199.784,227.317) v1@199.416,227.685 ; 199.263,227.317 cw(c199.784,227.317) v1@199.416,227.685 ; 199.263,227.317 cw(c199.784,227.317) v1@199.416,227.685 ; 199.263,227.317 cw(c199.784,227.317) v1@199.416,227.685 ; v1@202.592,180.567 ccw(c202.223,180.936) 202.745,180.936 ; v1@202.592,180.567 ccw(c202.223,180.936) 202.745,180.936 ; v1@202.592,180.567 ccw(c202.223,180.936) 202.745,180.936 ; v1@202.592,180.567 ccw(c202.223,180.936) 202.745,180.936 ; 202.745,180.936 ccw(c203.266,180.936) v1@202.897,180.567 ; 202.745,180.936 ccw(c203.266,180.936) v1@202.897,180.567 ; 202.745,180.936 ccw(c203.266,180.936) v1@202.897,180.567 ; 202.745,180.936 ccw(c203.266,180.936) v1@202.897,180.567
FLASH_SPI_DI: U1.5 U3.91 U6.7 | length 121.5
  Top Layer w0.203: U1.5@181.126,175.909 191.784,175.909 194.056,178.181 199.39,178.181 203.581,182.372 v1(206.629,182.372) ; U6.7@196.468,223.077 199.074,223.077 201.041,225.044 v1(202.438,225.044) ; v1(205.245,196.329) U3.91@205.245,193.778 205.245,191.63 v1(208.026,188.849) ; U1.5@181.252,175.784 cw(c181.555,175.48) 181.555,175.909 ; U1.5@181.252,175.784 cw(c181.555,175.48) 181.555,175.909 ; U1.5@181.252,175.784 cw(c181.555,175.48) 181.555,175.909 ; U1.5@181.252,175.784 cw(c181.555,175.48) 181.555,175.909 ; U1.5@181.252,176.035 ccw(c181.555,176.339) 181.555,175.909 ; U1.5@181.252,176.035 ccw(c181.555,176.339) 181.555,175.909 ; U1.5@181.252,176.035 ccw(c181.555,176.339) 181.555,175.909 ; U1.5@181.252,176.035 ccw(c181.555,176.339) 181.555,175.909 ; U6.7@197.25,222.796 cw(c197.93,222.115) 197.93,223.077 ; U6.7@197.25,222.796 cw(c197.93,222.115) 197.93,223.077 ; U6.7@197.25,222.796 cw(c197.93,222.115) 197.93,223.077 ; U6.7@197.25,222.796 cw(c197.93,222.115) 197.93,223.077 ; U6.7@197.25,223.359 ccw(c197.93,224.039) 197.93,223.077 ; U6.7@197.25,223.359 ccw(c197.93,224.039) 197.93,223.077 ; U6.7@197.25,223.359 ccw(c197.93,224.039) 197.93,223.077 ; U6.7@197.25,223.359 ccw(c197.93,224.039) 197.93,223.077 ; 201.917,225.044 cw(c201.917,224.523) v1@202.285,224.891 ; 201.917,225.044 ccw(c201.917,225.565) v1@202.285,225.197 ; 201.917,225.044 cw(c201.917,224.523) v1@202.285,224.891 ; 201.917,225.044 ccw(c201.917,225.565) v1@202.285,225.197 ; 201.917,225.044 ccw(c201.917,225.565) v1@202.285,225.197 ; 201.917,225.044 cw(c201.917,224.523) v1@202.285,224.891 ; 201.917,225.044 ccw(c201.917,225.565) v1@202.285,225.197 ; 201.917,225.044 cw(c201.917,224.523) v1@202.285,224.891 ; v1@205.092,196.177 cw(c204.723,195.808) 205.245,195.808 ; v1@205.092,196.177 cw(c204.723,195.808) 205.245,195.808 ; v1@205.092,196.177 cw(c204.723,195.808) 205.245,195.808 ; v1@205.092,196.177 cw(c204.723,195.808) 205.245,195.808 ; 205.245,195.808 cw(c205.766,195.808) v1@205.397,196.177 ; 205.245,195.808 cw(c205.766,195.808) v1@205.397,196.177 ; 205.245,195.808 cw(c205.766,195.808) v1@205.397,196.177 ; 205.245,195.808 cw(c205.766,195.808) v1@205.397,196.177 ; 206.108,182.372 cw(c206.108,181.851) v1@206.476,182.219 ; 206.108,182.372 ccw(c206.108,182.893) v1@206.476,182.525 ; 206.108,182.372 cw(c206.108,181.851) v1@206.476,182.219 ; 206.108,182.372 ccw(c206.108,182.893) v1@206.476,182.525 ; 206.108,182.372 ccw(c206.108,182.893) v1@206.476,182.525 ; 206.108,182.372 cw(c206.108,181.851) v1@206.476,182.219 ; 206.108,182.372 ccw(c206.108,182.893) v1@206.476,182.525 ; 206.108,182.372 cw(c206.108,181.851) v1@206.476,182.219 ; 207.657,189.218 cw(c207.289,188.849) v1@207.81,188.849 ; 207.657,189.218 ccw(c208.026,189.586) v1@208.026,189.065 ; 207.657,189.218 cw(c207.289,188.849) v1@207.81,188.849 ; 207.657,189.218 ccw(c208.026,189.586) v1@208.026,189.065 ; 207.657,189.218 ccw(c208.026,189.586) v1@208.026,189.065 ; 207.657,189.218 cw(c207.289,188.849) v1@207.81,188.849 ; 207.657,189.218 ccw(c208.026,189.586) v1@208.026,189.065 ; 207.657,189.218 cw(c207.289,188.849) v1@207.81,188.849 ; 207.732,189.141 ccw(c208.106,189.241) v1@208.029,188.861 ; 207.732,189.141 ccw(c208.106,189.241) v1@208.029,188.861 ; 207.732,189.141 ccw(c208.106,189.241) v1@208.029,188.861 ; 207.732,189.141 ccw(c208.106,189.241) v1@208.029,188.861 ; 207.732,189.141 ccw(c208.106,189.241) v1@208.029,188.861 ; 207.732,189.141 ccw(c208.106,189.241) v1@208.029,188.861 ; 207.734,189.143 cw(c207.634,188.769) v1@208.014,188.846 ; 207.734,189.143 cw(c207.634,188.769) v1@208.014,188.846 ; 207.734,189.143 cw(c207.634,188.769) v1@208.014,188.846 ; 207.734,189.143 cw(c207.634,188.769) v1@208.014,188.846 ; 207.734,189.143 cw(c207.634,188.769) v1@208.014,188.846 ; 207.734,189.143 cw(c207.634,188.769) v1@208.014,188.846
  Bottom Layer w0.203: v1(202.438,225.044) 201.422,224.028 201.422,209.293 204.775,205.94 204.775,196.799 v1(205.245,196.329) ; v1(206.629,182.372) 208.026,183.769 v1(208.026,188.849) ; 202.069,224.675 cw(c202.438,224.307) v1@202.438,224.828 ; 202.069,224.675 ccw(c201.701,225.044) v1@202.222,225.044 ; 202.069,224.675 cw(c202.438,224.307) v1@202.438,224.828 ; 202.069,224.675 ccw(c201.701,225.044) v1@202.222,225.044 ; 202.069,224.675 ccw(c201.701,225.044) v1@202.222,225.044 ; 202.069,224.675 cw(c202.438,224.307) v1@202.438,224.828 ; 202.069,224.675 ccw(c201.701,225.044) v1@202.222,225.044 ; 202.069,224.675 cw(c202.438,224.307) v1@202.438,224.828 ; 204.876,196.698 cw(c204.508,196.329) v1@205.029,196.329 ; 204.876,196.698 ccw(c205.245,197.066) v1@205.245,196.545 ; 204.876,196.698 cw(c204.508,196.329) v1@205.029,196.329 ; 204.876,196.698 ccw(c205.245,197.066) v1@205.245,196.545 ; 204.876,196.698 ccw(c205.245,197.066) v1@205.245,196.545 ; 204.876,196.698 cw(c204.508,196.329) v1@205.029,196.329 ; 204.876,196.698 ccw(c205.245,197.066) v1@205.245,196.545 ; 204.876,196.698 cw(c204.508,196.329) v1@205.029,196.329 ; v1@206.629,182.588 ccw(c206.629,183.109) 206.998,182.741 ; v1@206.629,182.588 ccw(c206.629,183.109) 206.998,182.741 ; v1@206.629,182.588 ccw(c206.629,183.109) 206.998,182.741 ; v1@206.629,182.588 ccw(c206.629,183.109) 206.998,182.741 ; v1@206.845,182.372 cw(c207.366,182.372) 206.998,182.741 ; v1@206.845,182.372 cw(c207.366,182.372) 206.998,182.741 ; v1@206.845,182.372 cw(c207.366,182.372) 206.998,182.741 ; v1@206.845,182.372 cw(c207.366,182.372) 206.998,182.741 ; v1@207.873,188.696 cw(c207.505,188.328) 208.026,188.328 ; v1@207.873,188.696 cw(c207.505,188.328) 208.026,188.328 ; v1@207.873,188.696 cw(c207.505,188.328) 208.026,188.328 ; v1@207.873,188.696 cw(c207.505,188.328) 208.026,188.328 ; 208.026,188.328 cw(c208.547,188.328) v1@208.179,188.696 ; 208.026,188.328 cw(c208.547,188.328) v1@208.179,188.696 ; 208.026,188.328 cw(c208.547,188.328) v1@208.179,188.696 ; 208.026,188.328 cw(c208.547,188.328) v1@208.179,188.696
FLASH_SPI_DO: U1.2 U3.31 U6.6 | length 116.8
  Top Layer w0.203: U1.2@178.586,167.908 178.586,169.188 179.451,170.053 196.732,170.053 203.245,176.566 U3.31@203.245,178.078 203.245,179.623 v1(203.962,180.34) ; U6.6@196.468,225.077 199.611,225.077 v1@200.373,225.839 ; U1.2@178.46,168.771 ccw(c178.157,169.074) 178.586,169.074 ; U1.2@178.46,168.771 ccw(c178.157,169.074) 178.586,169.074 ; U1.2@178.46,168.771 ccw(c178.157,169.074) 178.586,169.074 ; U1.2@178.46,168.771 ccw(c178.157,169.074) 178.586,169.074 ; 178.586,169.074 ccw(c179.015,169.074) U1.2@178.712,168.771 ; 178.586,169.074 ccw(c179.015,169.074) U1.2@178.712,168.771 ; 178.586,169.074 ccw(c179.015,169.074) U1.2@178.712,168.771 ; 178.586,169.074 ccw(c179.015,169.074) U1.2@178.712,168.771 ; U6.6@197.25,224.795 cw(c197.93,224.115) 197.93,225.077 ; U6.6@197.25,224.795 cw(c197.93,224.115) 197.93,225.077 ; U6.6@197.25,224.795 cw(c197.93,224.115) 197.93,225.077 ; U6.6@197.25,224.795 cw(c197.93,224.115) 197.93,225.077 ; U6.6@197.25,225.358 ccw(c197.93,226.038) 197.93,225.077 ; U6.6@197.25,225.358 ccw(c197.93,226.038) 197.93,225.077 ; U6.6@197.25,225.358 ccw(c197.93,226.038) 197.93,225.077 ; U6.6@197.25,225.358 ccw(c197.93,226.038) 197.93,225.077 ; 199.926,225.391 cw(c200.406,224.912) v1@200.406,225.59 ; 199.926,225.391 cw(c200.406,224.912) v1@200.406,225.59 ; 199.926,225.391 cw(c200.406,224.912) v1@200.406,225.59 ; 199.926,225.391 cw(c200.406,224.912) v1@200.406,225.59 ; 200.073,225.501 ccw(c199.954,225.945) v1@200.394,225.81 ; 200.073,225.501 ccw(c199.954,225.945) v1@200.394,225.81 ; 200.073,225.501 ccw(c199.954,225.945) v1@200.394,225.81 ; 200.073,225.501 ccw(c199.954,225.945) v1@200.394,225.81 ; 200.073,225.501 ccw(c199.954,225.945) v1@200.394,225.81 ; 200.083,225.548 ccw(c199.826,225.806) v1@200.19,225.806 ; 200.083,225.548 ccw(c199.826,225.806) v1@200.19,225.806 ; 200.083,225.548 ccw(c199.826,225.806) v1@200.19,225.806 ; 200.083,225.548 ccw(c199.826,225.806) v1@200.19,225.806 ; 200.123,225.555 cw(c200.435,225.471) v1@200.407,225.793 ; 200.123,225.555 cw(c200.435,225.471) v1@200.407,225.793 ; 200.123,225.555 cw(c200.435,225.471) v1@200.407,225.793 ; 200.123,225.555 cw(c200.435,225.471) v1@200.407,225.793 ; 200.123,225.555 cw(c200.435,225.471) v1@200.407,225.793 ; 200.123,225.555 cw(c200.435,225.471) v1@200.407,225.793 ; 203.593,179.971 cw(c203.962,179.603) v1@203.962,180.124 ; 203.593,179.971 ccw(c203.225,180.34) v1@203.746,180.34 ; 203.593,179.971 cw(c203.962,179.603) v1@203.962,180.124 ; 203.593,179.971 ccw(c203.225,180.34) v1@203.746,180.34 ; 203.593,179.971 ccw(c203.225,180.34) v1@203.746,180.34 ; 203.593,179.971 cw(c203.962,179.603) v1@203.962,180.124 ; 203.593,179.971 ccw(c203.225,180.34) v1@203.746,180.34 ; 203.593,179.971 cw(c203.962,179.603) v1@203.962,180.124 ; 203.668,180.048 cw(c204.042,179.948) v1@203.965,180.328 ; 203.668,180.048 cw(c204.042,179.948) v1@203.965,180.328 ; 203.668,180.048 cw(c204.042,179.948) v1@203.965,180.328 ; 203.668,180.048 cw(c204.042,179.948) v1@203.965,180.328 ; 203.668,180.048 cw(c204.042,179.948) v1@203.965,180.328 ; 203.668,180.048 cw(c204.042,179.948) v1@203.965,180.328 ; 203.67,180.046 ccw(c203.57,180.42) v1@203.95,180.343 ; 203.67,180.046 ccw(c203.57,180.42) v1@203.95,180.343 ; 203.67,180.046 ccw(c203.57,180.42) v1@203.95,180.343 ; 203.67,180.046 ccw(c203.57,180.42) v1@203.95,180.343 ; 203.67,180.046 ccw(c203.57,180.42) v1@203.95,180.343 ; 203.67,180.046 ccw(c203.57,180.42) v1@203.95,180.343
  Bottom Layer w0.203: v1(200.406,225.806) 200.914,225.298 200.914,209.226 204.368,205.772 204.368,188.808 203.327,187.766 203.327,180.975 v1(203.962,180.34) ; v1@200.406,225.59 cw(c200.406,225.069) 200.775,225.437 ; v1@200.406,225.59 cw(c200.406,225.069) 200.775,225.437 ; v1@200.406,225.59 cw(c200.406,225.069) 200.775,225.437 ; v1@200.406,225.59 cw(c200.406,225.069) 200.775,225.437 ; v1@200.622,225.806 ccw(c201.143,225.806) 200.775,225.437 ; v1@200.622,225.806 ccw(c201.143,225.806) 200.775,225.437 ; v1@200.622,225.806 ccw(c201.143,225.806) 200.775,225.437 ; v1@200.622,225.806 ccw(c201.143,225.806) 200.775,225.437 ; 203.593,180.709 cw(c203.225,180.34) v1@203.746,180.34 ; 203.593,180.709 ccw(c203.962,181.077) v1@203.962,180.556 ; 203.593,180.709 cw(c203.225,180.34) v1@203.746,180.34 ; 203.593,180.709 ccw(c203.962,181.077) v1@203.962,180.556 ; 203.593,180.709 ccw(c203.962,181.077) v1@203.962,180.556 ; 203.593,180.709 cw(c203.225,180.34) v1@203.746,180.34 ; 203.593,180.709 ccw(c203.962,181.077) v1@203.962,180.556 ; 203.593,180.709 cw(c203.225,180.34) v1@203.746,180.34
GND: C1.2 C2.2 C3.2 C4.2 C5.1 C6.2 C7.1 C8.1 C9.1 C10.2 C11.2 C12.1 C13.1 C14.2 C15.2 C16.1 C17.1 C18.1 C19.2 C20.1 C21.2 C22.1 C23.1 C24.1 C25.1 C26.2 C27.1 C28.2 C29.2 C30.2 C31.1 C32.2 CP1.3 CP2.3 DAC.1 DC1.2 DC1.3 E5.2 G1.3 G2.2 G2.4 Jlink.4 KEY1.3 KEY1.4 KEY2.3 KEY2.4 KEY3.3 KEY3.4 KEY4.3 KEY4.4 LCD.1 LCD.2 printf.4 Q1.3 R12.1 R13.1 R14.1 R18.1 R21.1 R22.2 R28.1 R38.2 R55.1 R56.2 RJ1.10 RJ1.12 RST.2 TF.6 TF.10 TF.11 TF.12 TF.13 U1.4 U2.4 U3.10 U3.20 U3.27 U3.74 U4.7 U4.20 U4.47 U5.1 U6.15 U7.2 U8.3 USB1.4 USB1.5 USB1.6 USB2.4 USB2.5 USB2.6 USB3.4 USB3.5 USB3.6 | length 2190.9